# Altium PCB LimePSB-RPCM_1v3.PcbDoc (part 8 of 10)
Units mm, origin at the board's own origin, x right, y up, seen from the top; angles counter-clockwise.
Board outline 170 x 110 mm, 6 copper layers (Top, L2, L3, L4, L5, Bottom), stack 1.583 mm thick; 946 components, 565 nets, 4035 pads, 1752 vias.
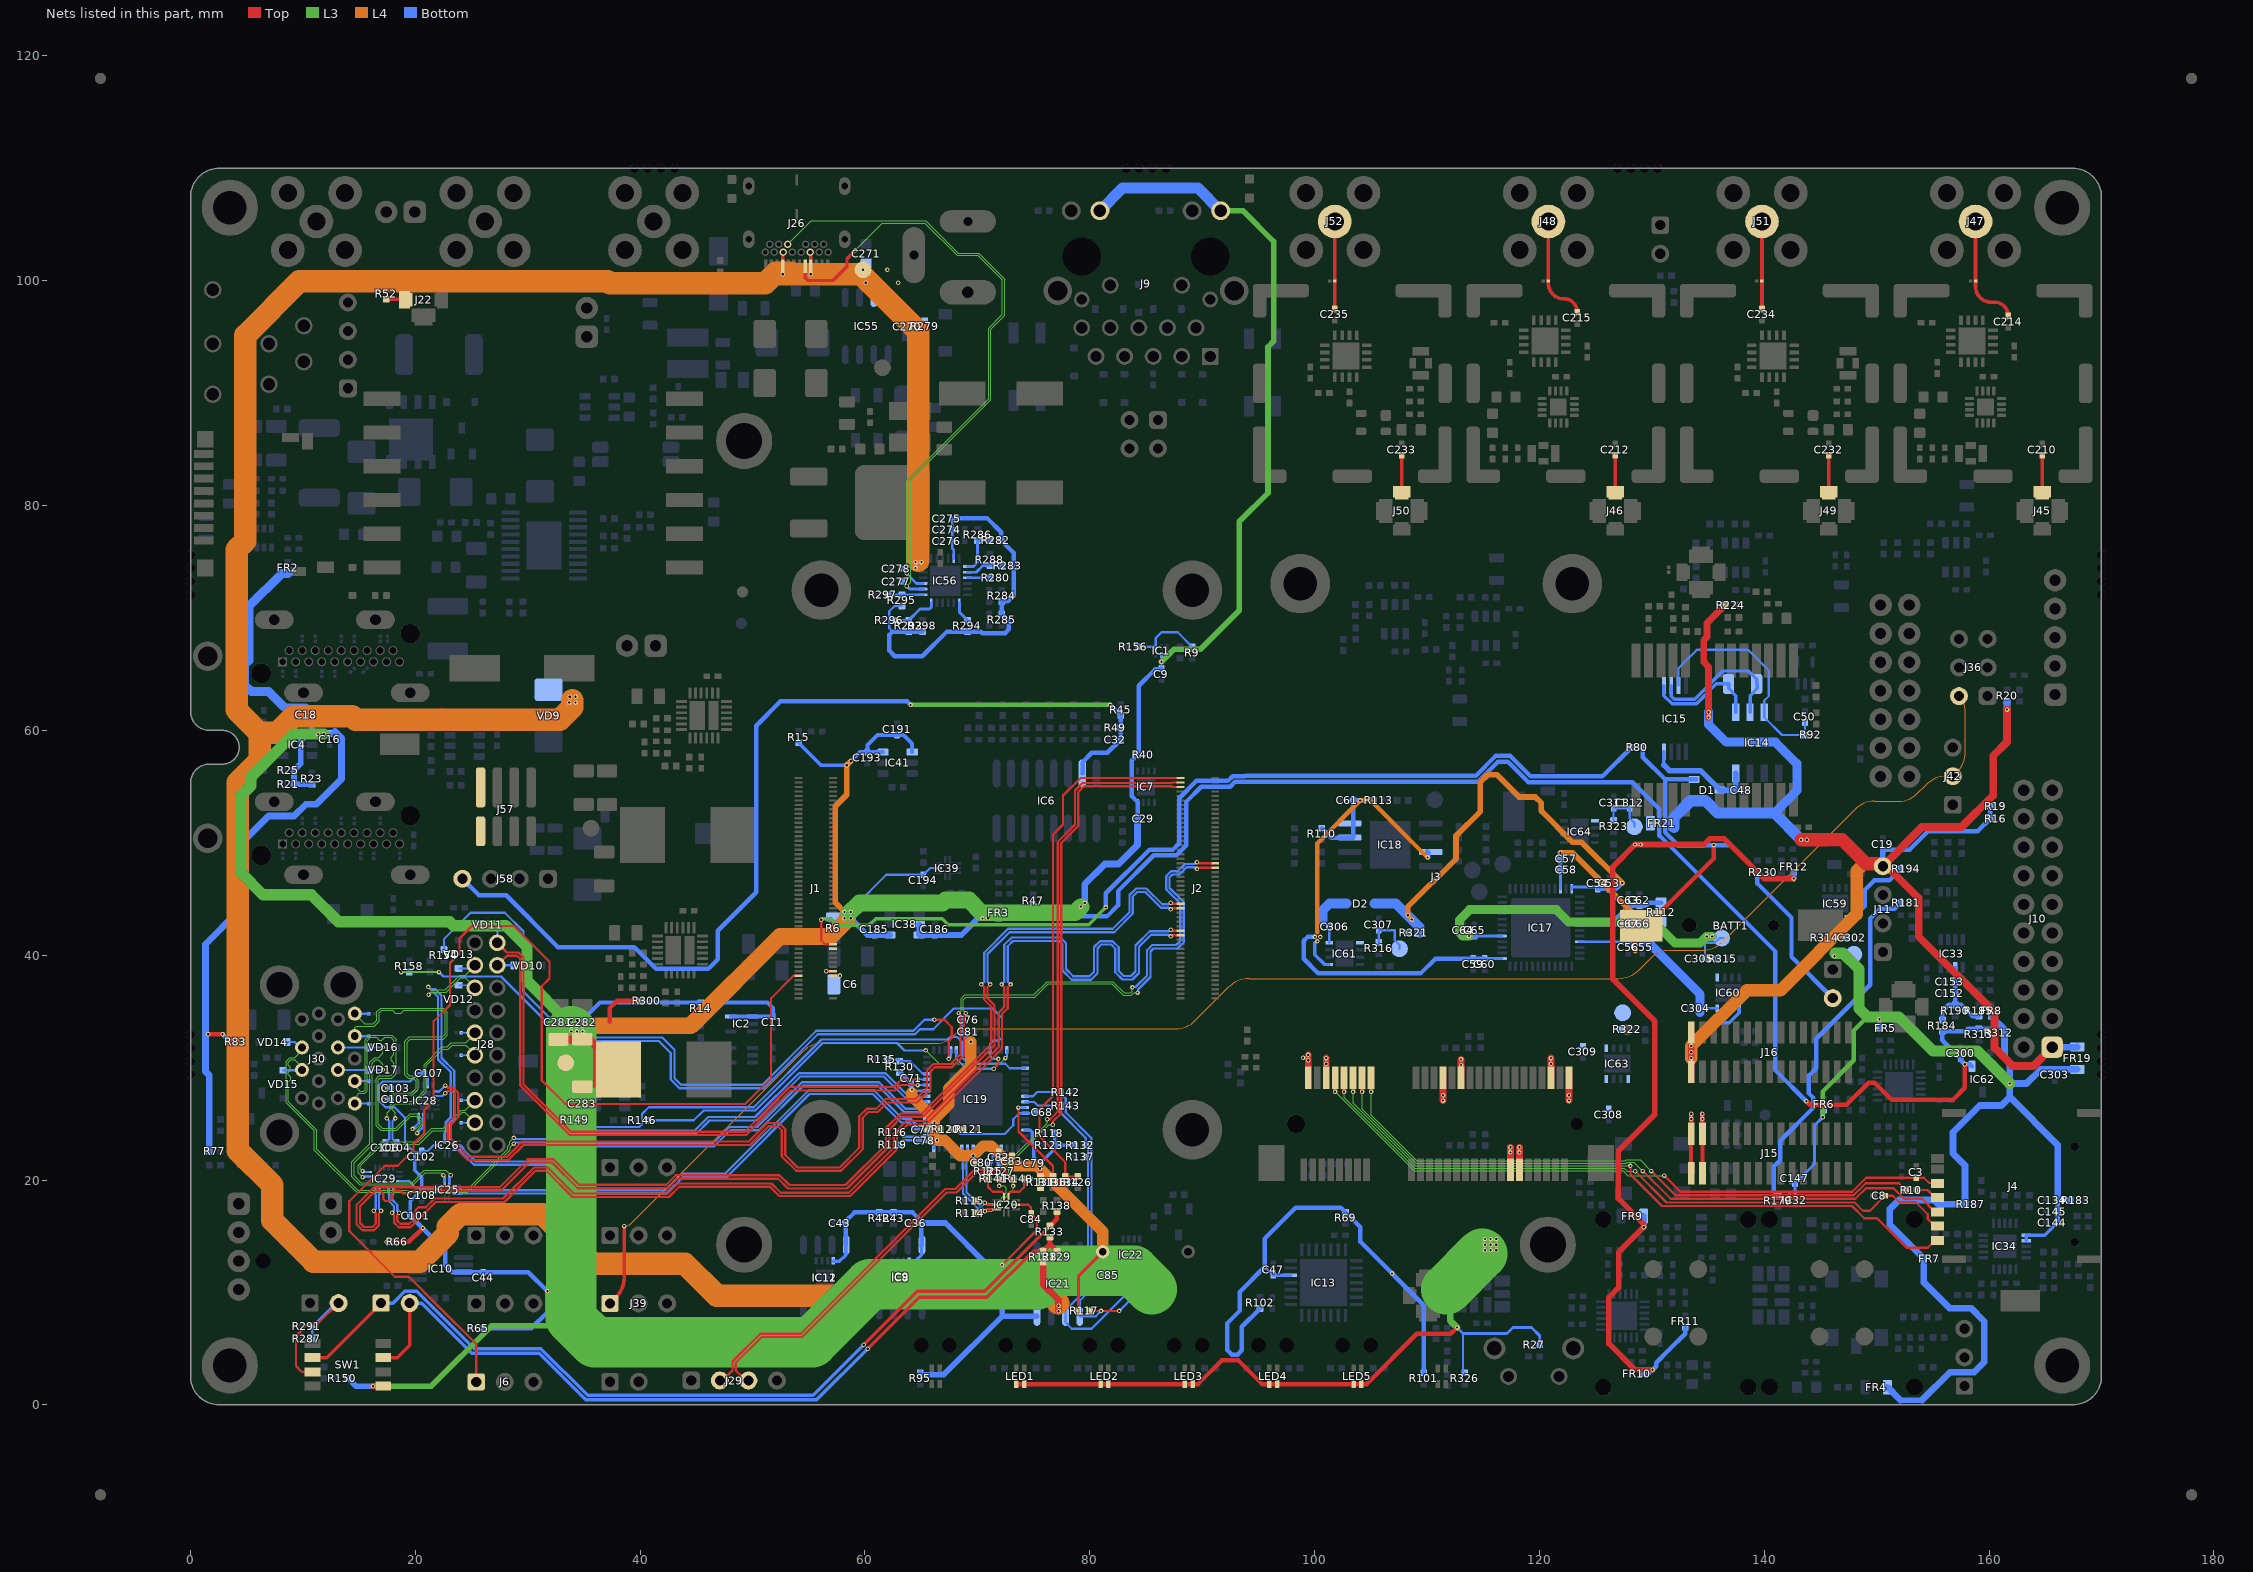
[diagram p12: the nets of this part, all layers, seen from the top]

## Via types
v1: diameter 0.4, hole 0.2, Top to Bottom, tented both sides, 1728 vias
v2: diameter 0.5, hole 0.2, Top to Bottom, tented both sides, 24 vias

## Nets (pads, with @x,y where several pads share a name; then routed paths per layer and width w, separated by ;. In a path a pad name is that pad's centre, name@x,y a point inside that pad or via, vN(x,y) a via of type N, cw(c..) or ccw(c..) an arc to the next point about the centre after c; other vN are vias at no path point) (continued)
RPI_USB3_RX1_N: IC29.4 J2.57 | length 103.3
  Top w0.2: v1(16.95,17.275) 16.95,17.221 16.775,17.046 16.775,15.976 16.324,15.525 15.301,15.525 14.775,16.051 14.775,17.799 16.326,19.35 27.499,19.35 29.999,21.85 32.287,21.85 34.562,19.575 42.325,19.575 43.175,20.425 52.4,20.425 53.275,19.55 58.275,19.55 61.875,23.15 61.875,24.624 63.176,25.925 65.045,25.925 71.225,32.105 71.225,35.425 70.6,36.05 70.6,37.15 v1(70.35,37.4) ; v1(87.2,44.675) 87.3,44.575 J2.57@88.085,44.575
  Bottom w0.2: IC29.4@16.823,19.148 16.823,18.768 16.773,18.718 16.773,17.452 v1(16.95,17.275) ; v1(70.35,37.4) 70.6,37.65 70.6,40.224 72.726,42.35 82.05,42.35 83.529,43.829 83.529,45.354 84.1,45.925 85.049,45.925 86.449,44.525 86.996,44.525 87.146,44.675 v1(87.2,44.675)
RPI_USB3_RX1_P: IC29.5 J2.59 | length 103.3
  Top w0.2: v1(16.3,17.275) 16.3,17.221 16.475,17.046 16.475,16.1 16.2,15.825 15.425,15.825 15.075,16.175 15.075,17.675 16.45,19.05 16.875,19.05 17.15,18.775 17.15,18.325 17.35,18.125 17.685,18.125 17.925,18.365 17.925,18.8 18.175,19.05 18.625,19.05 18.875,18.8 19.525,18.8 19.775,19.05 27.624,19.05 30.124,21.55 32.162,21.55 34.437,19.275 42.449,19.275 43.299,20.125 52.276,20.125 53.151,19.25 53.399,19.25 58.399,19.25 62.175,23.026 62.175,24.5 63.3,25.625 65.17,25.625 71.525,31.98 71.525,35.549 70.9,36.174 70.9,37.15 v1(71.15,37.4) ; v1(87.2,44.075) 87.3,44.175 J2.59@88.085,44.175
  Bottom w0.2: v1(16.3,17.275) 16.473,17.448 16.473,18.718 16.423,18.768 IC29.5@16.423,19.148 ; v1(71.15,37.4) 70.9,37.65 70.9,40.1 72.85,42.05 82.174,42.05 83.829,43.705 83.829,45.23 84.224,45.625 84.925,45.625 86.325,44.225 86.996,44.225 87.146,44.075 v1(87.2,44.075)
RPI_USB3_TX0_N: IC28.1 J2.40 | length 104
  Top w0.2: v1(22.65,28.4) 22.682,28.4 22.87,28.212 23.349,28.212 23.825,27.737 23.825,25.576 23.175,24.926 23.175,23.674 24.774,22.075 28.151,22.075 29.501,23.425 49.651,23.425 51.301,25.075 52.374,25.075 52.9,24.549 52.9,22.224 53.999,21.125 57.751,21.125 59.5,22.874 59.5,25.674 60.176,26.35 61,26.35 61.85,27.2 64.526,27.2 65.525,28.199 65.525,29.774 66.076,30.325 67.626,30.325 68.5,31.199 68.5,34.675 v1(68.325,34.85) ; v1(89.53,48.275) 89.63,48.175 J2.40@91.165,48.175
  L3 w0.1: v1(68.325,34.85) 68.55,35.075 68.55,36.133 68.892,36.475 75.025,36.475 76.2,37.65 82.058,37.65 83.058,36.65 83.624,36.65 83.79,36.816 v1(83.79,37.135)
  Bottom w0.2: IC28.1@21.877,27.875 22.125,27.875 v1(22.65,28.4) ; v1(83.79,37.135) 83.829,37.173 84.076,37.173 85.1,38.197 85.1,40.449 85.551,40.9 87.675,40.9 88.05,41.275 88.05,44.6 86.8,45.85 86.8,47.05 87.225,47.475 87.825,47.475 88.475,48.125 89.326,48.125 89.476,48.275 v1(89.53,48.275)
RPI_USB3_TX0_P: IC28.2 J2.42 | length 104
  Top w0.2: v1(22.65,27.725) 22.682,27.725 22.87,27.912 23.225,27.912 23.525,27.613 23.525,25.7 22.875,25.05 22.875,23.55 24.65,21.775 28.275,21.775 29.625,23.125 33.124,23.125 49.775,23.125 51.425,24.775 52.25,24.775 52.6,24.425 52.6,22.1 53.875,20.825 57.875,20.825 59.8,22.75 59.8,25.55 60.3,26.05 61.124,26.05 61.974,26.9 64.65,26.9 65.825,28.075 65.825,29.65 66.2,30.025 67.75,30.025 68.8,31.075 68.8,34.675 v1(68.975,34.85) ; v1(89.53,47.675) 89.63,47.775 J2.42@91.165,47.775
  L3 w0.1: v1(68.975,34.85) 68.75,35.075 68.75,36.05 68.975,36.275 75.108,36.275 76.283,37.45 81.975,37.45 82.975,36.45 83.707,36.45 83.932,36.675 v1(84.25,36.675)
  Bottom w0.2: IC28.2@21.877,27.475 22.4,27.475 v1(22.65,27.725) ; v1(84.25,36.675) 84.288,36.713 84.288,36.961 85.4,38.072 85.4,40.325 85.675,40.6 87.799,40.6 88.35,41.151 88.35,44.724 87.1,45.974 87.1,46.926 87.349,47.175 87.949,47.175 88.599,47.825 89.326,47.825 89.476,47.675 v1(89.53,47.675)
RPI_USB3_TX1_N: IC29.1 J2.69 | length 103.4
  Top w0.2: v1(18.575,17.1) 18.575,17.046 18.4,16.871 18.4,16.35 18.65,16.1 19.451,16.1 20.013,16.663 20.013,17.313 20.275,17.575 20.926,17.575 21.701,18.35 27.799,18.35 30.574,21.125 31.774,21.125 34.099,18.8 42.45,18.8 43.35,19.7 51.675,19.7 52.5,18.875 58.555,18.875 62.55,22.87 62.55,24.124 63.676,25.25 65.325,25.25 71.9,31.825 71.9,34.912 72.252,35.264 72.4,35.412 72.4,37.15 v1(72.15,37.4) ; v1(87.2,42.275) 87.3,42.175 J2.69@88.085,42.175
  Bottom w0.2: IC29.1@18.023,19.148 18.023,18.768 17.968,18.713 17.968,18.232 18.4,17.8 18.4,17.275 v1(18.575,17.1) ; v1(72.15,37.4) 72.4,37.65 72.4,40.924 73.051,41.575 77.374,41.575 77.875,41.074 77.875,38.774 78.524,38.125 79.975,38.125 80.375,38.525 80.375,40.724 80.901,41.25 82.024,41.25 82.575,40.699 82.575,38.6 83.025,38.15 83.676,38.15 84.075,38.549 84.075,40.875 85.325,42.125 86.996,42.125 87.146,42.275 v1(87.2,42.275)
RPI_USB3_TX1_P: IC29.2 J2.71 | length 103.6
  Top w0.2: v1(17.925,17.1) 17.925,17.046 18.1,16.871 18.1,16.226 18.526,15.8 19.575,15.8 21.825,18.05 27.924,18.05 30.699,20.825 31.65,20.825 33.975,18.5 42.574,18.5 43.474,19.4 51.551,19.4 52.376,18.575 58.679,18.575 62.85,22.746 62.85,24 63.8,24.95 65.449,24.95 72.2,31.701 72.2,34.788 72.376,34.964 72.7,35.288 72.7,37.15 v1(72.95,37.4) ; v1(87.2,41.675) 87.3,41.775 J2.71@88.085,41.775
  Bottom w0.2: IC29.2@17.623,19.148 17.623,18.753 17.668,18.708 17.668,18.108 18.1,17.676 18.1,17.275 v1(17.925,17.1) ; v1(72.95,37.4) 72.7,37.65 72.7,40.8 73.175,41.275 77.25,41.275 77.575,40.95 77.575,38.65 78.4,37.825 80.099,37.825 80.675,38.401 80.675,40.6 81.025,40.95 81.9,40.95 82.275,40.575 82.275,38.476 82.901,37.85 83.8,37.85 84.375,38.425 84.375,40.751 85.449,41.825 86.996,41.825 87.146,41.675 v1(87.2,41.675)
RPI_USB_D_N: IC20.2 J2.3 R141.2 | length 52.2
  Top w0.2: v1(70.325,20.106) R141.2@70.95,20.106 70.95,19.375 71.375,18.95 72.2,18.95 72.375,18.775 IC20.2@72.375,18.45 ; v1(76.205,25.412) 76.488,25.412 77.15,26.074 77.15,50.1 78.675,51.625 78.675,54.649 79.351,55.325 87.25,55.325 87.3,55.375 J2.3@88.085,55.375
  L3 w0.1: v1(70.325,20.106) 72.056,20.106 72.575,20.625 72.575,21.429 76.205,25.059 v1(76.205,25.412)
RPI_USB_D_P: IC20.1 J2.5 R140.2 | length 51.7
  Top w0.2: IC20.1@72.775,18.4 72.775,18.825 72.9,18.95 73.75,18.95 74.175,19.375 R140.2@74.175,20.1 v1(74.8,20.1) ; v1(76.7,24.917) 76.7,25.2 77.45,25.95 77.45,49.976 78.975,51.501 78.975,54.525 79.475,55.025 87.25,55.025 87.3,54.975 J2.5@88.085,54.975
  L3 w0.1: v1(74.8,20.1) 73.3,20.1 72.775,20.625 72.775,21.346 76.346,24.917 v1(76.7,24.917)
RPI_USB_OTG_ID: J2.1 R126.1 R134.2 | length 47.9
  Top w0.2: R126.1@78.925,20.306 R134.2@77.825,20.306 77.825,21.6 75.525,23.9 75.525,26.275 76.725,27.475 76.725,50.725 77.625,51.625 77.625,54.2 79.2,55.775 J2.1@88.085,55.775
RPI_VBAT: J1.76 R80.1 | length 87
  Top w0.2: v1(56.1,43.15) 56.1,41.325 56.45,40.975 J1.76@57.165,40.975
  L3 w0.3: v1(56.1,43.15) 56.2,43.25 56.975,43.25 57.575,42.65 60.35,42.65 60.95,43.25 66.875,43.25 67.4,42.725 79.9,42.725 v1(81.425,44.25)
  Bottom w0.4: v1(81.425,44.25) 81.425,45.5 85.325,49.4 87.4,49.4 87.95,49.95 87.95,53.975 89.475,55.5 92.293,55.5 92.718,55.925 93.8,55.925 93.825,55.95 114.325,55.95 116.1,57.725 117.407,57.725 119.232,55.9 125.6,55.9 R80.1@128.2,58.5
RPI_VBUS_EN: IC1.1 R9.1 R156.2 | length 6.3
  Bottom w0.2: R156.2@84.35,67.45 84.363,67.437 IC1.1@85.875,67.437 85.875,68.225 86.375,68.725 87.825,68.725 R9.1@89.125,67.425
RPI_WL_nDISABLE: J1.89 J6.1 | length 102.8
  Top w0.2: J6.1@25.419,2.038 25.419,5.406 22.025,8.8 19.425,11.4 18.175,11.4 14.114,15.461 14.114,18.114 17.275,21.275 18.426,21.275 19.825,22.674 19.825,22.951 19.825,23.199 20.8,24.174 20.8,26.224 21.625,27.049 21.625,34.124 23.075,35.574 23.075,39.299 23.925,40.149 23.925,41.477 25.048,42.6 28.75,42.6 31.925,39.425 31.925,37.926 31.25,37.251 31.25,36.85 31.25,28.849 33.324,26.775 49.376,26.775 51.65,29.049 51.65,36.175 53.65,38.175 J1.89@54.085,38.175
RTC_nINT: C50.1 IC14.3 IC15.3 R92.1 | length 20.7
  Bottom w0.2: IC15.3@132.375,64 132.375,65.525 134.025,67.175 138.55,67.175 140.4,65.325 140.4,63.05 140.01,62.66 IC14.3@140.01,61.612 140.01,61.165 141.575,59.6 R92.1@143.625,59.6 C50.1@143.625,60.7
RTC_OSCI: IC14.1 IC15.1 XT1.1 | length 10.5
  Bottom w0.3: IC15.1@131.075,64 131.075,63.1 131.8,62.375 133.975,62.375 135.734,64.134 XT1.1@136.83,64.134 136.83,63.735 137.47,63.094 IC14.1@137.47,61.612
RTC_OSCO: IC14.2 IC15.2 XT1.2 | length 13.2
  Bottom w0.3: IC15.2@131.725,64 131.725,63.025 131.975,62.775 133.809,62.775 136.319,65.284 138.591,65.284 139.33,64.545 XT1.2@139.33,64.134 ; IC14.2@138.74,61.612 138.74,63.094 139.38,63.735 XT1.2@139.38,64.134
RTC_VDD: C48.1 D1.C IC14.8 IC15.8 | length 10
  Bottom w0.3: 131.075,56.925 IC15.8@131.075,58.1
  Bottom w0.5: 131.075,56.925 131.577,56.423 134.323,56.423 D1.C@136.058,54.688 C48.1@137.47,54.688 IC14.8@137.47,56.188
RXA: C235.1 ESD38.1 J52.1 | length 7.8
  Top w0.325: C235.1@101.8,97.5 ESD38.1@101.8,99.975 J52.1@101.8,105.275
RXA_OUT: C233.2 J50.1 | length 3.2
  Top w0.325: J50.1@107.74,81.225 C233.2@107.74,84.475
RXB: C234.1 ESD37.1 J51.1 | length 7.8
  Top w0.325: C234.1@139.8,97.5 ESD37.1@139.8,99.975 J51.1@139.8,105.275
RXB_OUT: C232.2 J49.1 | length 3.2
  Top w0.325: J49.1@145.74,81.225 C232.2@145.74,84.475
SCAP_TEMP: C32.1 IC6.7 J57.4 J58.4 R45.2 R49.1 | length 89.9
  L3 w0.4: v1(64.057,62.268) v1(81.818,62.268)
  Bottom w0.4: J58.4@24.186,46.8 25.661,45.325 28.075,45.325 32.675,40.725 39.475,40.725 41.425,38.775 46.05,38.775 46.9,39.625 46.9,42.175 50.325,45.6 50.325,60.425 52.475,62.575 63.75,62.575 v1(64.057,62.268) ; IC6.7@79.333,56.177 79.352,56.196 79.352,57.169 80.183,58 81.566,58 82.651,59.085 82.651,59.135 82.701,59.185 C32.1@82.751,59.185 R49.1@82.751,60.235 R45.2@82.751,61.335 v1(81.818,62.268)
  Bottom w0.6: J58.4@24.186,46.8 J58.4@24.225,46.839
SIM_VPP: J4.C6 R10.2 | length 2.1
  Top w0.2: R10.2@153.59,19.11 154.515,19.11 155.195,18.43 J4.C6@155.405,18.43
SYNC_OUT: J36.2 J39.1 J42.2 | length 148.5
  Top w0.325: J39.1@37.319,9.025 37.831,9.537 ccw(c36.035,11.333) 37.856,9.562 ccw(c36.035,11.333) 38.575,11.333 v1(38.575,15.9)
  L4 w0.1: v1(38.575,15.9) ccw(c38.575,16.805) 39.215,16.165 54.481,31.431 cw(c56.277,29.635) 56.277,32.175 66.387,32.175 ccw(c66.387,34.138) 67.775,32.75 cw(c69.465,31.06) 69.465,33.45 87.598,33.45 ccw(c87.598,35.99) 89.394,34.194 92.381,37.181 cw(c94.177,35.385) 94.177,37.925 127.023,37.925 ccw(c127.023,40.465) 128.819,38.669 129.85,39.7 cw(c131.6,37.95) 130.668,40.243 cw(c131.6,37.95) 131.6,40.425 134.448,40.425 ccw(c134.448,42.965) 136.244,41.169 148.031,52.956 cw(c149.827,51.16) 149.827,53.7 152,53.7 ccw(c152,55.933) 153.579,54.354 154.406,55.181 cw(c156.202,53.385) 156.202,55.925 J42.2@156.775,55.925 157.156,56.306 ccw(c155.36,58.102) 157.9,58.102 157.9,61.674 ccw(c155.949,61.674) J36.2@157.329,63.054
TCXO_DAC: IC32.4 R179.2 R181.1 | length 33.1
  Bottom w0.25: R179.2@141.225,18.65 142.236,18.65 IC32.4@142.236,18.548
  Bottom w0.4: R179.2@141.225,18.65 140.825,19.05 140.825,21.171 141.414,21.761 141.414,23.489 144.375,26.45 144.375,27.3 143.975,27.7 143.975,29.3 144.625,29.95 144.625,32.575 149.425,37.375 149.425,43.259 150.316,44.15 151.63,44.15 R181.1@152.14,44.659
TCXO_DAC_VREF: C152.2 C153.1 IC33.2 R184.1 R185.1 R190.1 | length 8
  Bottom w0.4: R184.1@155.849,34.239 155.849,35.015 156.423,35.589 R190.1@156.998,35.589 ; IC33.2@156.999,38.884 C153.1@156.999,37.63 R190.1@156.999,35.575 157.548,35.575 158.549,34.574 R185.1@159.099,34.574
TRXA: C215.1 ESD36.1 J48.1 | length 9.6
  Top w0.325: J48.1@120.8,105.275 ESD36.1@120.8,99.975 120.8,99.75 ccw(c122.15,99.75) 122.15,98.4 122.175,98.4 cw(c122.175,97.2) C215.1@123.375,97.2
TRXB: C214.1 ESD35.1 J47.1 | length 10.2
  Top w0.325: J47.1@158.8,105.275 ESD35.1@158.8,99.975 158.8,99.475 ccw(c160.175,99.475) 160.175,98.1 160.475,98.1 cw(c160.475,96.875) C214.1@161.7,96.875
TXA_IN: C212.2 J46.1 | length 3.2
  Top w0.325: J46.1@126.74,81.225 C212.2@126.74,84.475
TXB_IN: C210.2 J45.1 | length 3.2
  Top w0.325: J45.1@164.74,81.225 C210.2@164.74,84.475
UFL_INT_TO_EXT: J22.1 R52.2 | length 1.7
  Top w0.325: R52.2@17.4,98.35 J22.1@19.015,98.35 ; J22.1@18.815,98.35 cw(c18.815,98.265) J22.1@18.875,98.325
UIM_CLK: J3.12 J4.C3 | length 60.4
  Top w0.2: v1(128.1,21.25) 128.1,20.5 130.9,17.7 147.8,17.7 148.9,16.6 150.025,16.6 152.65,13.975 154.55,13.975 155.195,14.62 J4.C3@155.405,14.62 J4.C3@155.705,14.62
  Top w0.4: v1(103.425,27.85) J3.12@103.425,29.1
  L3 w0.1: v1(103.425,27.85) 103.425,26.816 108.991,21.25 v1@127.95,21.25
UIM_DATA: C8.2 J3.10 J4.C7 | length 60.6
  Top w0.2: v1(128.525,20.775) 131.3,18 148.05,18 148.775,17.275 149.4,17.275 C8.2@150.725,18.6 151.425,18.6 152,18.025 153.475,18.025 154.55,16.95 154.55,16.525 155.185,15.89 J4.C7@155.405,15.89
  Top w0.4: v1(102.625,27.85) J3.10@102.625,29.1
  L3 w0.1: v1(102.625,27.85) 102.625,27.333 108.908,21.05 127.55,21.05 127.825,20.775 v1(128.525,20.775)
UIM_PWR: C3.2 J3.8 J4.C1 | length 59.2
  Top w0.2: v1(131.1,20.4) 132.55,18.95 147.826,18.95 149.076,20.2 C3.2@153.525,20.2 154.2,20.2 154.669,19.731 J4.C1@155.405,19.731
  Top w0.4: v1(101.825,27.85) J3.8@101.825,29.1
  L3 w0.1: v1(101.825,27.85) 108.85,20.825 127.45,20.825 127.875,20.4 v1(131.1,20.4)
UIM_RESET: J3.14 J4.C2 | length 58.9
  Top w0.2: v1(129.2,20.8) 131.675,18.325 148.1,18.325 149.05,19.275 151.49,19.275 152.44,18.325 154.025,18.325 155.19,17.16 J4.C2@155.405,17.16 J4.C2@155.705,17.16
  Top w0.4: v1(104.225,27.85) J3.14@104.225,29.1
  L3 w0.1: v1(104.225,27.85) 104.225,26.299 109.024,21.5 127.705,21.5 127.805,21.6 128.4,21.6 v1(129.2,20.8)
UIM_VPP: J3.16 R10.1 | length 54.6
  Top w0.2: v1(129.95,20.8) 132.1,18.65 147.951,18.65 149.026,19.725 151.975,19.725 R10.1@152.59,19.11
  Top w0.4: v1(105.025,27.85) J3.16@105.025,29.1
  L3 w0.1: v1(105.025,27.85) 105.025,25.781 109.106,21.7 127.622,21.7 127.722,21.8 128.95,21.8 v1(129.95,20.8)
USB3H_1_D_N: IC26.1 J28.5 VD12.A | length 21
  L3 w0.1: v1(21.175,36.475) 21.175,36.487 21.413,36.725 22.75,36.725 24.025,38 24.425,38 25.3,37.125 J28.5@25.3,37.1
  Bottom w0.15: VD12.A@23.85,37.325 25.075,37.325 J28.5@25.3,37.1
  Bottom w0.2: v1(21.175,36.475) 21.375,36.675 21.65,36.675 22.025,36.3 22.025,30.726 23.15,29.601 23.15,25.599 22.675,25.124 22.675,24.275 22.625,24.225 IC26.1@22.625,23.725
USB3H_1_D_P: IC26.2 J28.3 VD13.A | length 21.6
  L3 w0.1: v1(21.15,37.175) 21.163,37.175 21.412,36.925 22.667,36.925 23.942,38.2 24.425,38.2 25.3,39.075 J28.3@25.3,39.1
  Bottom w0.15: VD13.A@23.85,38.825 24.666,38.825 24.941,39.1 J28.3@25.3,39.1
  Bottom w0.2: v1(21.15,37.175) 21.35,36.975 21.774,36.975 22.325,36.424 22.325,30.85 23.45,29.725 23.45,25.475 22.975,25 22.975,24.275 23.025,24.225 IC26.2@23.025,23.725
USB3H_1_RX_N: ESD2.1 IC29.9 J28.17 | length 14.9
  L3 w0.1: v1(15.3,20.8) 15.1,21 15.1,21.25 17.05,23.2 20.35,23.2 21.55,24.4 22.558,24.4 24.183,26.025 24.375,26.025 J28.17@25.3,25.1
  Bottom w0.15: ESD2.1@24.075,25.1 J28.17@25.3,25.1
  Bottom w0.2: v1(15.3,20.8) 15.375,20.725 IC29.9@15.846,20.725
USB3H_1_RX_P: ESD3.1 IC29.8 J28.15 | length 15.9
  L3 w0.1: v1(15.3,20.25) 14.9,20.65 14.9,21.333 16.967,23.4 20.267,23.4 21.467,24.6 22.475,24.6 24.1,26.225 24.425,26.225 J28.15@25.3,27.1
  Bottom w0.15: ESD3.1@24.075,27.1 J28.15@25.3,27.1
  Bottom w0.2: v1(15.3,20.25) v1@15.375,20.325 ; v1@15.325,20.325 v1@15.375,20.325 ; IC29.8@15.846,20.325 v1@15.375,20.325
USB3H_1_TX_N: C104.2 ESD4.1 J28.11 | length 16.3
  L3 w0.1: v1(18.225,25.475) 18.2,25.5 18.2,25.995 17.95,26.245 17.95,26.55 18.2,26.8 19.933,26.8 20.975,27.842 20.975,30.192 22.42,31.638 22.933,31.638 23.295,32 24.5,32 25.3,31.2 J28.11@25.3,31.1
  Bottom w0.15: ESD4.1@24.075,31.1 J28.11@25.3,31.1
  Bottom w0.2: v1(18.225,25.475) 17.974,25.224 17.974,23.944 17.974,23.667 18.091,23.55 18.175,23.55 18.325,23.4 C104.2@18.325,23.35
USB3H_1_TX_P: C106.2 ESD5.1 J28.9 | length 16.6
  L3 w0.1: v1(17.45,25.475) 17.5,25.525 17.5,25.995 17.75,26.245 17.75,26.633 18.117,27 19.85,27 20.775,27.925 20.775,30.275 22.338,31.838 22.85,31.838 23.212,32.2 24.5,32.2 25.3,33 J28.9@25.3,33.1
  Bottom w0.15: ESD5.1@24.075,33.1 J28.9@25.3,33.1
  Bottom w0.2: C106.2@17.323,23.35 17.323,23.4 17.473,23.55 17.557,23.55 17.674,23.667 17.674,24.068 17.674,25.251 v1(17.45,25.475)
USB3S_B_D_N: IC25.1 J30.11 VD16.A | length 26.5
  L3 w0.1: v1(17.1,31.8) 17.1,31.3 16.7,30.9 16.375,30.9 15.95,30.475 15.95,23.233 14.5,21.783 14.35,21.633 14.35,20.3 15.075,19.575 19.808,19.575 20.883,20.65 22.275,20.65 v1(22.5,20.425)
  Bottom w0.2: J30.11@13.11,31.8 VD16.A@15.875,31.8 v1(17.1,31.8) ; v1(22.5,20.425) 22.625,20.3 IC25.1@22.625,19.8
USB3S_B_D_P: IC25.2 J30.12 VD17.A | length 26.6
  L3 w0.1: v1(17.1,29.8) 17.1,30.3 16.7,30.7 16.458,30.7 16.15,30.392 16.15,23.15 14.55,21.55 14.55,20.383 15.158,19.775 19.725,19.775 20.8,20.85 22.725,20.85 v1(23.15,20.425)
  Bottom w0.2: J30.12@13.11,29.8 VD17.A@15.875,29.8 v1(17.1,29.8) ; IC25.2@23.025,19.8 23.025,20.3 v1(23.15,20.425)
USB3S_B_RX_N: ESD30.1 IC28.9 J30.14 | length 27.1
  L3 w0.1: J30.14@14.61,26.8 14.83,27.02 14.83,27.555 14.975,27.7 15.483,27.7 15.725,27.942 15.725,32.4 16.025,32.7 16.556,32.7 16.806,32.45 17.019,32.45 17.269,32.7 17.825,32.7 18.1,32.425 18.1,32.15 17.85,31.9 17.85,31.65 18.1,31.4 18.1,31.175 17.85,30.925 17.85,30.65 18.1,30.4 18.1,29.55 17.825,29.275 16.75,29.275 16.5,29.025 16.5,24.842 16.917,24.425 18.358,24.425 19.608,25.675 20.075,25.675 20.425,25.325 20.425,24.979 20.021,24.574 19.774,24.574 v1(19.75,24.55)
  Bottom w0.2: J30.14@14.61,26.8 ESD30.1@15.875,26.8 ; v1(19.75,24.55) 20.3,25.1 IC28.9@20.3,25.698
USB3S_B_RX_P: ESD31.1 IC28.8 J30.15 | length 27.2
  L3 w0.1: J30.15@14.61,28.8 14.83,28.58 14.83,28.145 15.075,27.9 15.4,27.9 15.525,28.025 15.525,32.483 15.942,32.9 17.908,32.9 18.3,32.508 18.3,29.467 17.908,29.075 16.833,29.075 16.7,28.942 16.7,24.975 17.05,24.625 18.275,24.625 19.525,25.875 20.158,25.875 20.625,25.408 20.625,24.896 20.174,24.446 20.174,24.199 v1(20.15,24.175)
  Bottom w0.2: J30.15@14.61,28.8 ESD31.1@15.875,28.8 ; v1(20.15,24.175) 20.7,24.725 IC28.8@20.7,25.698
USB3S_B_TX_N: C103.2 ESD32.1 J30.17 | length 25.7
  L3 w0.1: J30.17@14.61,32.8 14.61,33.535 14.775,33.7 16.333,33.7 16.775,34.142 16.775,34.875 17,35.1 17.981,35.1 18.231,34.85 18.727,34.85 18.977,35.1 22.383,35.1 22.65,34.833 22.65,32.967 22.408,32.725 19.617,32.725 19.442,32.725 19.075,32.358 19.075,29.367 19.367,29.075 19.8,29.075 20.075,28.8 20.075,28.175 19.675,27.775 17.9,27.775 17.5,28.175 v1(17.2,28.175)
  Bottom w0.2: J30.17@14.61,32.8 ESD32.1@15.875,32.8 ; v1(17.2,28.175) C103.2@17.75,28.175
USB3S_B_TX_P: C105.2 ESD33.1 J30.18 | length 25.8
  L3 w0.1: J30.18@14.61,34.8 14.61,34.79 15.5,33.9 16.25,33.9 16.575,34.225 16.575,34.958 16.917,35.3 19.558,35.3 22.466,35.3 22.85,34.916 22.85,32.884 22.491,32.525 19.525,32.525 19.275,32.275 19.275,29.45 19.45,29.275 19.883,29.275 20.275,28.883 20.275,28.092 19.758,27.575 17.9,27.575 17.5,27.175 v1(17.2,27.175)
  Bottom w0.2: J30.18@14.61,34.8 ESD33.1@15.875,34.8 ; v1(17.2,27.175) C105.2@17.75,27.175
USB_C_RPI1: J27.1 R133.1 R138.1 SW1.2 | length 79.6
  Top w0.3: SW1.2@10.85,4.2 12.105,4.2 J27.1@16.955,9.05 ; v1(59.896,5.354) 64.643,10.1 70.65,10.1 R133.1@76.45,15.9
  Top w0.4: R133.1@76.45,15.9 77.068,16.518 ; 77.068,16.593 77.068,17.193 R138.1@77.075,17.2
  Bottom w0.3: J27.1@16.955,9.05 18.01,9.05 19.06,10.1 20.125,10.1 25.225,5 31.175,5 35.337,0.838 55.381,0.838 v1(59.896,5.354)
USB_C_RPI2: J27.2 R128.1 R129.1 R133.2 SW1.7 | length 74.3
  Top w0.3: SW1.7@17.15,4.2 18.375,4.2 19.495,5.32 J27.2@19.495,9.05 ; v1(60.25,5) 64.825,9.575 70.85,9.575 74.95,13.675 R128.1@75.85,13.675
  Top w0.4: R128.1@75.85,13.675 76.45,14.275 ; R133.2@76.45,14.9 76.45,14.275 ; R129.1@77.075,13.675 76.475,14.275 76.45,14.275
  Bottom w0.3: J27.2@19.495,9.05 20.55,9.05 25,4.6 31.009,4.6 35.159,0.45 ; 35.159,0.438 55.688,0.438 v1(60.25,5)
USB_CC1: C278.1 IC56.15 J26.A5 | length 55.4
  Top w0.3: J26.A5@54.675,101.295 54.675,100.25 54.9,100.025 57.175,100.025 58.4,101.25 58.4,101.975 v1(59.125,102.7)
  L3 w0.1: v1(59.125,102.7) 61.55,105.125 65.325,105.125 68.2,102.25 70.05,102.25 72.225,100.075 72.225,97.008 71,95.783 71,89.5 63.716,82.216 v1(63.716,73.97)
  Bottom w0.25: C278.1@63.291,74.37 63.341,74.37 63.466,74.245 63.466,74.195 64.586,73.075 IC56.15@65.184,73.075